# Altium PCB PCB1.PcbDoc (part 1 of 2)
Units mm, origin at the board's own origin, x right, y up, seen from the top; angles counter-clockwise.
Board outline 140.5 x 40 mm, 2 copper layers (Top Layer, Bottom Layer); 133 components, 92 nets, 449 pads, 230 vias.
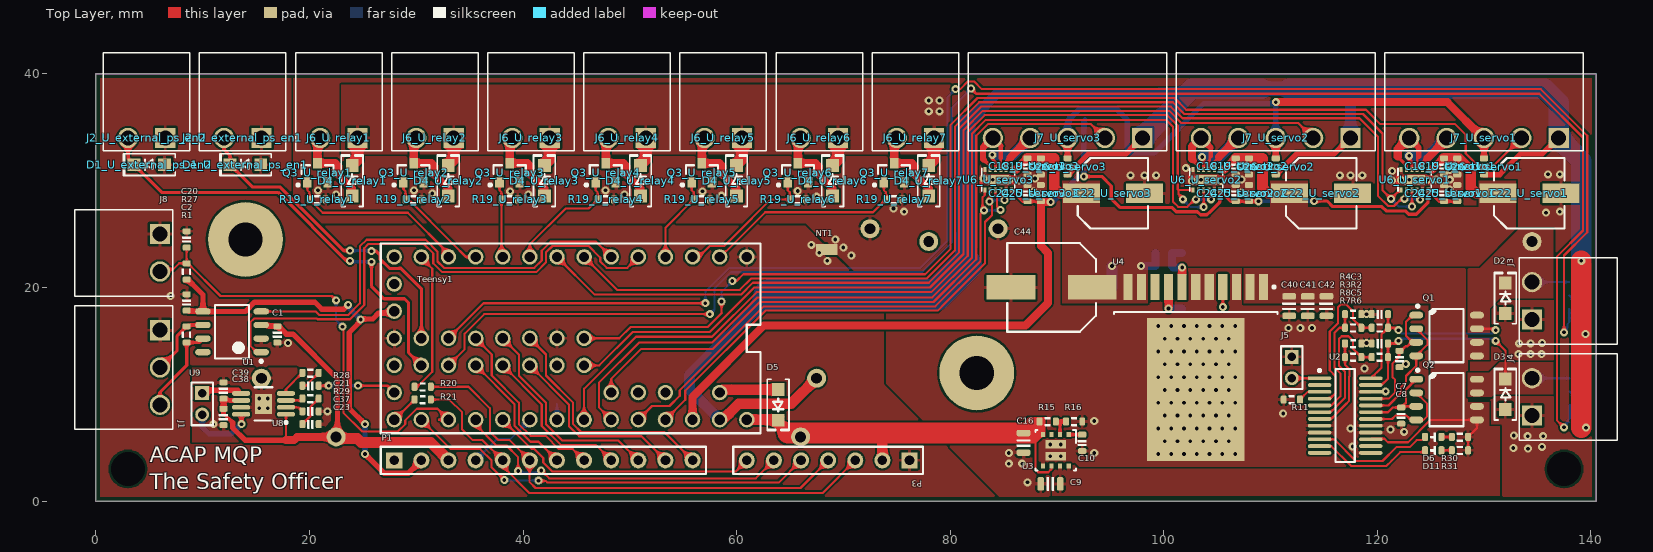
[diagram p0: Top Layer view]
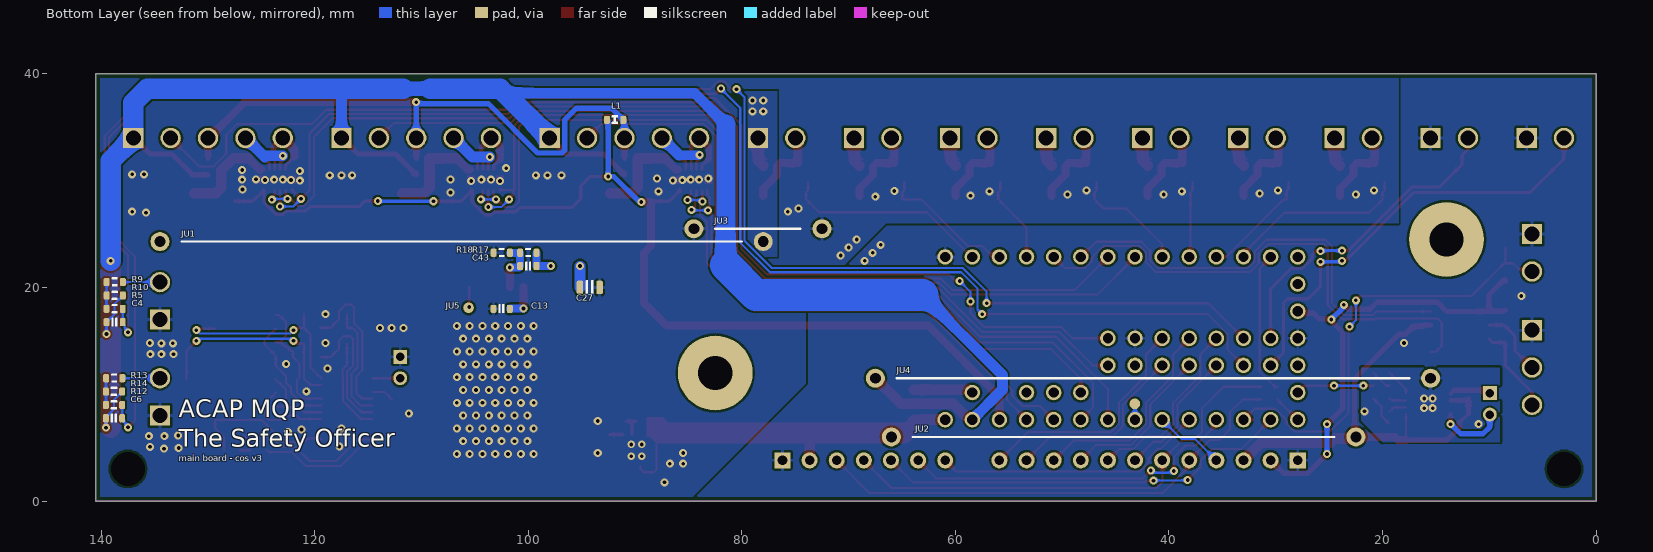
[diagram p1: Bottom Layer view, seen from below]
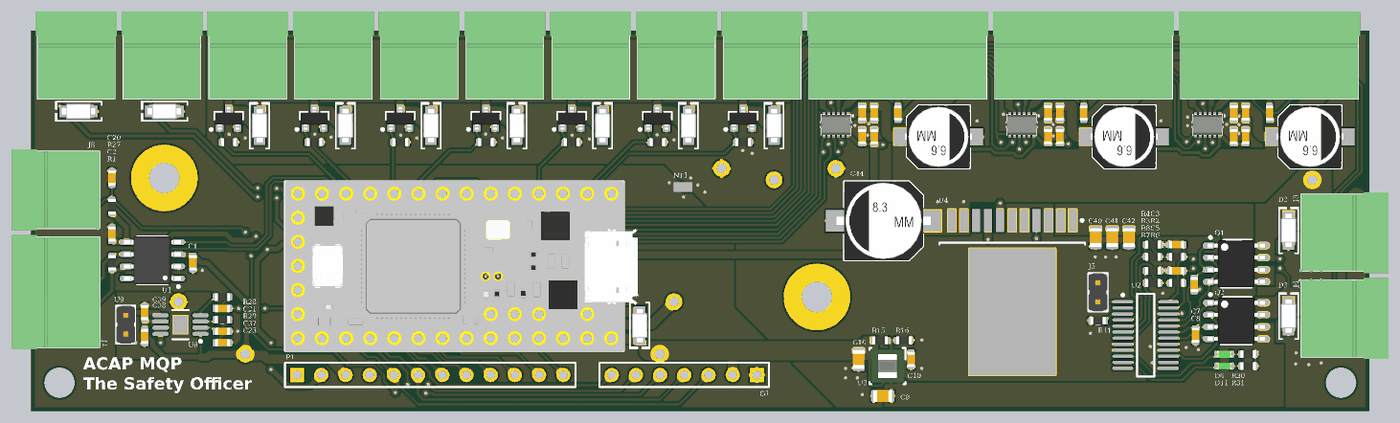
[diagram p3: 3D render of the assembled board from above, using the file's embedded part models]
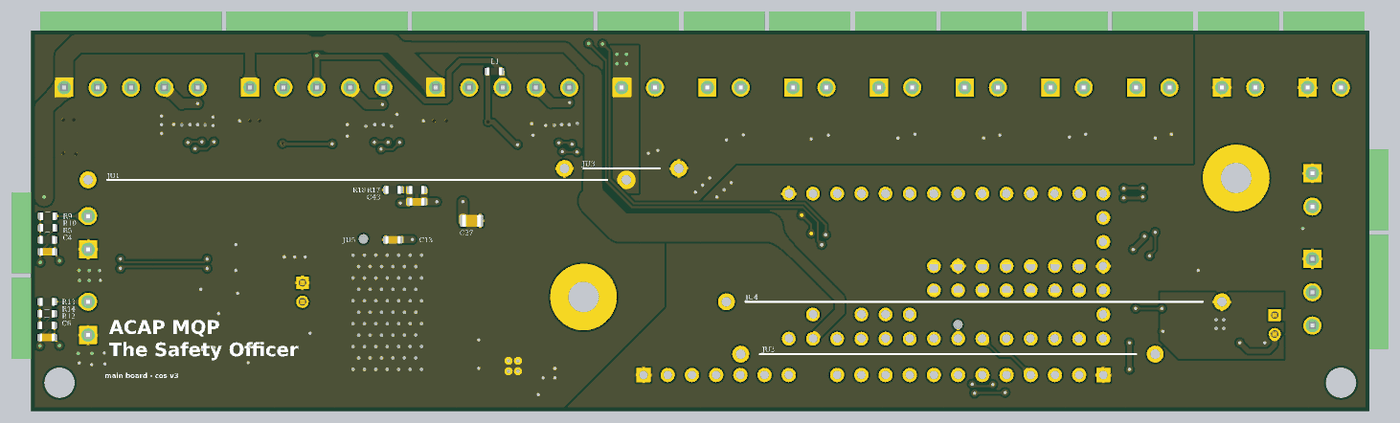
[diagram p4: 3D render of the assembled board from below, using the file's embedded part models]

## Layer stack, top to bottom
Top Solder: solder mask 0.0102, Solder Resist, Dk 3.5
Top Layer: signal copper 0.0356
Dielectric 1: dielectric 0.32, FR-4, Dk 4.8
Bottom Layer: signal copper 0.0356
Bottom Solder: solder mask 0.0102, Solder Resist, Dk 3.5

## Board outline
0,0 0,40 140.5,40 140.5,0

## Design rules (kind name [scope] priority, off if disabled: settings)
BoardOutlineClearance [InNetClass('All Nets')] p1: gap=0.381 ignorepadtopadclearanceinfootprint=FALSE
Clearance BoardEdge [All vs OnLayer('Keep-Out Layer')] p1: gap=0.4 ignorepadtopadclearanceinfootprint=FALSE
Clearance "Stitching GND" [IsStitchingVia and InNet('GND') vs (IsVia and (Not IsStitchingVia)) Or IsPad] p2 off: gap=0.127 ignorepadtopadclearanceinfootprint=FALSE except(0: Arc-Hole Track-Hole SMDPad-Hole THPad-Hole Via-Hole Fill-Hole Poly-Hole Region-Hole Text-Hole)
Clearance Clearance_outlinepolygon [inPolygon vs OnLayer('Keep-Out Layer')] p3 off: gap=0.4 ignorepadtopadclearanceinfootprint=FALSE except(0: Arc-Hole Track-Hole SMDPad-Hole THPad-Hole Via-Hole Fill-Hole Poly-Hole Region-Hole Text-Hole)
Clearance Clearance-polygonpolygon [InPolygon vs InPolygon] p4 off: gap=0.5 ignorepadtopadclearanceinfootprint=FALSE except(0: Arc-Hole Track-Hole SMDPad-Hole THPad-Hole Via-Hole Fill-Hole Poly-Hole Region-Hole Text-Hole)
Clearance Clearance_2 [All] p5: gap=0.2 ignorepadtopadclearanceinfootprint=FALSE
ComponentClearance [InComponentClass('no-clearance-check')] p1: gap=-999 collisioncheckmode=3 verticalgap=-999 showdistances=FALSE
ComponentClearance ComponentClearance_4 [All] p2: gap=0.254 collisioncheckmode=3 verticalgap=0.254 showdistances=FALSE
HoleSize [All] p1: absolutevalues=TRUE maxlimit=6 minlimit=0.33 maxpercent=80.000 minpercent=20.000
MinimumAnnularRing ignore [(HasFootprint('LMZ21701SIL') OR HasFootprint('m3 hole') OR HasFootprint('G3T-12AH'))] p1: minimumring=0
MinimumAnnularRing [All] p2: minimumring=0.178
MinimumSolderMaskSliver [All] p1: minsoldermaskwidth=0.076
NetAntennae [All] p1: netantennaetolerance=2
PolygonConnect PolygonConnect_heat [IsVia OR InPolygonClass('nothermalrelief') OR InPadClass('heatsink')] p1: connectstyle=Direct reliefconductorwidth=0.254 reliefentries=4 polygonreliefangle="90 Angle" airgapwidth=0.254
PolygonConnect [All] p2: connectstyle=Relief reliefconductorwidth=0.3 reliefentries=4 polygonreliefangle="90 Angle" airgapwidth=0.2
RoomDefinition U_servo3 [InComponentClass('U_servo3')] p1: confinementstyle=ConfineIn formatcopy=TRUE lockcomponents=FALSE outline 81.5,24.5 101,24.5 101,42.5 81.5,42.5
RoomDefinition U_servo2 [InComponentClass('U_servo2')] p2: confinementstyle=ConfineIn formatcopy=TRUE lockcomponents=FALSE outline 101,24.5 120.5,24.5 120.5,42.5 101,42.5
RoomDefinition U_servo1 [InComponentClass('U_servo1')] p3: confinementstyle=ConfineIn formatcopy=TRUE lockcomponents=FALSE outline 120.5,24.5 140,24.5 140,42.5 120.5,42.5
RoomDefinition U_relay7 [InComponentClass('U_relay7')] p4: confinementstyle=ConfineIn formatcopy=TRUE lockcomponents=FALSE outline 81.5,42.5 72.5,42.5 72.5,27.25 81.5,27.25
RoomDefinition U_relay6 [InComponentClass('U_relay6')] p5: confinementstyle=ConfineIn formatcopy=TRUE lockcomponents=FALSE outline 72.5,42.5 63.5,42.5 63.5,27.25 72.5,27.25
RoomDefinition U_relay5 [InComponentClass('U_relay5')] p6: confinementstyle=ConfineIn formatcopy=TRUE lockcomponents=FALSE outline 63.5,42.5 54.5,42.5 54.5,27.25 63.5,27.25
RoomDefinition U_relay4 [InComponentClass('U_relay4')] p7: confinementstyle=ConfineIn formatcopy=TRUE lockcomponents=FALSE outline 54.5,42.5 45.5,42.5 45.5,27.25 54.5,27.25
RoomDefinition U_relay3 [InComponentClass('U_relay3')] p8: confinementstyle=ConfineIn formatcopy=TRUE lockcomponents=FALSE outline 45.5,42.5 36.5,42.5 36.5,27.25 45.5,27.25
RoomDefinition U_relay2 [InComponentClass('U_relay2')] p9: confinementstyle=ConfineIn formatcopy=TRUE lockcomponents=FALSE outline 36.5,42.5 27.5,42.5 27.5,27.25 36.5,27.25
RoomDefinition U_relay1 [InComponentClass('U_relay1')] p10: confinementstyle=ConfineIn formatcopy=TRUE lockcomponents=FALSE outline 27.5,42.5 18.5,42.5 18.5,27.25 27.5,27.25
RoomDefinition U_external_ps_en2 [InComponentClass('U_external_ps_en2')] p11: confinementstyle=ConfineIn formatcopy=TRUE lockcomponents=FALSE outline 0.5,29.5 9.5,29.5 9.5,42.5 0.5,42.5
RoomDefinition U_external_ps_en1 [InComponentClass('U_external_ps_en1')] p12: confinementstyle=ConfineIn formatcopy=TRUE lockcomponents=FALSE outline 9.5,29.5 18.5,29.5 18.5,42.5 9.5,42.5
RoutingVias [All] p1: holewidth=0.711 width=1.27 viastyle="Through Hole" minholewidth=0.711 minwidth=1.27 maxholewidth=0.711 maxwidth=1.27 useviatemplates=TRUE viatemplateguid#1={ECAECEE0-98E7-41BA-9EC3-9AF7EEB56C01} viatemplatename#1=signal
SilkToSilkClearance [All] p1 off: silktosilkclearance=0
SilkToSolderMaskClearance SilkToSolderMaskClearance_1 [HasFootprint('PAD-JUMPER-2-NO_YES_SILK')] p1: minsilkscreentomaskgap=0 clearancetoexposedcopper=TRUE
SilkToSolderMaskClearance [IsPad] p2: minsilkscreentomaskgap=0.15 clearancetoexposedcopper=TRUE
SolderMaskExpansion [All] p1: expansion=0.076
Width [All] p1: maxlimit=25.375 minlimit=0.2 preferedwidth=0.3
24 further rules are at their usual default settings.

## Classes and differential pairs
pad class heatsink: C18_U_servo1-1 C18_U_servo2-1 C18_U_servo3-1 C19_U_servo1-1 C19_U_servo2-1 C19_U_servo3-1 C24_U_servo1-1 C24_U_servo2-1 C24_U_servo3-1 C25_U_servo1-2 C25_U_servo2-2 C25_U_servo3-2 NT1-1 NT1-2 U3-9 U3-10 U4-3 U4-5 U4-6 U4-12 U6_U_servo1-13 U6_U_servo2-13 U6_U_servo3-13 U8-9
component class no-clearance-check: JU1 JU2 JU3 JU4 JU5
polygon class nothermalrelief: "Bottom Layer-Vccaircraft" VAIRCRAFT_L01_P004 VBACKUP_L01_P006 VCC_PP_L01_P008 VCC_SERVO_L01_P002
channel class servo: U_servo1 U_servo2 U_servo3
channel class relay: U_relay1 U_relay2 U_relay3 U_relay4 U_relay5 U_relay6 U_relay7
channel class external_ps_en: U_external_ps_en1 U_external_ps_en2
component class U_ui_main_board: C20 C21 C23 C37 C38 C39 J8 P3 P7 R27 R28 R29 U8 U9
component class U_servo3: C18_U_servo3 C19_U_servo3 C22_U_servo3 C24_U_servo3 C25_U_servo3 C26_U_servo3 J7_U_servo3 U6_U_servo3
component class U_servo2: C18_U_servo2 C19_U_servo2 C22_U_servo2 C24_U_servo2 C25_U_servo2 C26_U_servo2 J7_U_servo2 U6_U_servo2
component class U_servo1: C18_U_servo1 C19_U_servo1 C22_U_servo1 C24_U_servo1 C25_U_servo1 C26_U_servo1 J7_U_servo1 U6_U_servo1
component class U_relay7: D4_U_relay7 J6_U_relay7 Q3_U_relay7 R19_U_relay7
component class U_relay6: D4_U_relay6 J6_U_relay6 Q3_U_relay6 R19_U_relay6
component class U_relay5: D4_U_relay5 J6_U_relay5 Q3_U_relay5 R19_U_relay5
component class U_relay4: D4_U_relay4 J6_U_relay4 Q3_U_relay4 R19_U_relay4
component class U_relay3: D4_U_relay3 J6_U_relay3 Q3_U_relay3 R19_U_relay3
component class U_relay2: D4_U_relay2 J6_U_relay2 Q3_U_relay2 R19_U_relay2
component class U_relay1: D4_U_relay1 J6_U_relay1 Q3_U_relay1 R19_U_relay1
component class U_power: C3 C4 C5 C6 C7 C8 C9 C10 C13 C16 C27 C40 C41 C42 C43 C44 D2 D3 D6 D11 J3 J4 J5 JU1 JU2 JU3 JU4 L1 NT1 Q1 Q2 R2 R3 R4 R5 R6 R7 R8 R9 R10 R11 R12 R13 R14 R15 R16 R17 R18 R30 R31 U2 U3 U4
component class U_external_ps_en2: D1_U_external_ps_en2 J2_U_external_ps_en2
component class U_external_ps_en1: D1_U_external_ps_en1 J2_U_external_ps_en1
component class U_can: C1 C2 J1 R1 U1
component class teensy: D5 JU5 P1 R20 R21 Teensy1

## Components (designator, comment, footprint, x,y, rotation, side; value= is the part's Value field where it differs from the comment)
C1 "Cap_0603" CAP_0603 17,15.6 r90 top value=104
C2 "Cap_0603" CAP_0603 8.5,18.6 r270 top value=104
C3 "Cap_0603" CAP_0603 120.25,17.5 r0 top value=104
C4 "Cap_0603" CAP_0603 138.75,16.75 r180 bottom value=100nf
C5 "Cap_0603" CAP_0603 120.25,14.75 r0 top value=104
C6 "Cap_0603" CAP_0603 138.8,7.75 r180 bottom value=100nf
C7 "Cap_0603" CAP_0603 122.1,13.3 r270 top value=?F
C8 "Cap_0603" CAP_0603 122.25,8 r270 top value=?F
C9 "Cap_0805" CAP_0805 89.4,1.6 r0 top value=22uf
C10 "Cap_0603" CAP_0603 92.375,5.45 r90 top value=3300pf
C13 "Cap_0603" CAP_0603 102.5,18 r180 bottom value=470nf
C16 "Cap_0805" CAP_0805 86.875,5.45 r90 top value=22uf
C18_U_servo1 "Cap_0603" CAP_0603 126.25,31.337 r90 top value=104 (schematic designator C18)
C18_U_servo2 "Cap_0603" CAP_0603 106.75,31.337 r90 top value=104 (schematic designator C18)
C18_U_servo3 "Cap_0603" CAP_0603 87.25,31.337 r90 top value=104 (schematic designator C18)
C19_U_servo1 "Cap_0603" CAP_0603 127.5,31.337 r90 top value=104 (schematic designator C19)
C19_U_servo2 "Cap_0603" CAP_0603 108,31.337 r90 top value=104 (schematic designator C19)
C19_U_servo3 "Cap_0603" CAP_0603 88.5,31.337 r90 top value=104 (schematic designator C19)
C20 "Cap_0603" CAP_0603 8.5,24.5 r270 top value=104
C21 "Cap_0603" CAP_0603 20.1,10.8 r180 top value=1uf
C22_U_servo1 "100uF" "CAP ALUM 6.6MM" 134.25,28.825 r0 top (schematic designator C22)
C22_U_servo2 "100uF" "CAP ALUM 6.6MM" 114.75,28.825 r0 top (schematic designator C22)
C22_U_servo3 "100uF" "CAP ALUM 6.6MM" 95.25,28.825 r0 top (schematic designator C22)
C23 "Cap_0603" CAP_0603 20.1,7.2 r180 top value=1uf
C24_U_servo1 "Cap_0603" CAP_0603 126.25,28.837 r270 top value=104 (schematic designator C24)
C24_U_servo2 "Cap_0603" CAP_0603 106.75,28.837 r270 top value=104 (schematic designator C24)
C24_U_servo3 "Cap_0603" CAP_0603 87.25,28.837 r270 top value=104 (schematic designator C24)
C25_U_servo1 "Cap_0603" CAP_0603 127.5,28.837 r90 top value=104 (schematic designator C25)
C25_U_servo2 "Cap_0603" CAP_0603 108,28.837 r90 top value=104 (schematic designator C25)
C25_U_servo3 "Cap_0603" CAP_0603 88.5,28.837 r90 top value=104 (schematic designator C25)
C26_U_servo1 "Cap_0603" CAP_0603 130,31.325 r270 top value=104 (schematic designator C26)
C26_U_servo2 "Cap_0603" CAP_0603 110.5,31.325 r270 top value=104 (schematic designator C26)
C26_U_servo3 "Cap_0603" CAP_0603 91,31.325 r270 top value=104 (schematic designator C26)
C27 "Cap_0805" CAP_0805 94.25,20 r0 bottom value=10uf
C37 "Cap_0603" CAP_0603 20.1,8.4 r0 top value=104
C38 "Cap_0603" CAP_0603 11.95,7.862 r270 top value=104
C39 "Cap_0603" CAP_0603 11.95,10.35 r90 top value=104
C40 "Cap_0805" CAP_0805 111.75,18.25 r90 top value=10uf
C41 "Cap_0805" CAP_0805 113.5,18.25 r90 top value=10uf
C42 "Cap_0805" CAP_0805 115.25,18.25 r90 top value=10uf
C43 "Cap_0603" CAP_0603 100,22 r180 bottom value=4.7nf
C44 "220uf" "CAP ALUM 8.3MM" 89.5,20 r180 top
D1_U_external_ps_en1 "3.3V" SOD123F 14,31.5 r180 top (schematic designator D1)
D1_U_external_ps_en2 "3.3V" SOD123F 5,31.5 r180 top (schematic designator D1)
D2 "18V" SOD123F 132,19 r90 top
D3 "18V" SOD123F 132,10 r90 top
D4_U_relay1 "Diode_SOD523" SOD123F 24,30 r90 top value=1N? (schematic designator D4)
D4_U_relay2 "Diode_SOD523" SOD123F 33,30 r90 top value=1N? (schematic designator D4)
D4_U_relay3 "Diode_SOD523" SOD123F 42,30 r90 top value=1N? (schematic designator D4)
D4_U_relay4 "Diode_SOD523" SOD123F 51,30 r90 top value=1N? (schematic designator D4)
D4_U_relay5 "Diode_SOD523" SOD123F 60,30 r90 top value=1N? (schematic designator D4)
D4_U_relay6 "Diode_SOD523" SOD123F 69,30 r90 top value=1N? (schematic designator D4)
D4_U_relay7 "Diode_SOD523" SOD123F 78,30 r90 top value=1N? (schematic designator D4)
D5 "Diode_SOD523" SOD123F 63.9,9 r270 top value="Schottky 20v 500ma"
D6 "LED_0603" LED_0603_GREEN 125.25,6 r180 top
D11 "LED_0603" LED_0603_GREEN 125.25,4.75 r180 top
J1 "691321100003" 691322110003 6,12.5 r270 top
J2_U_external_ps_en1 "691321100002" 691322110002 13.75,34 r180 top (schematic designator J2)
J2_U_external_ps_en2 "691321100002" 691322110002 4.75,34 r180 top (schematic designator J2)
J3 "691321100002" 691322110002 134.5,18.75 r90 top
J4 "691321100002" 691322110002 134.5,9.75 r90 top
J5 "691321100002" 62000211121 112,12.5 r270 top
J6_U_relay1 "691321100002" 691322110002 22.75,34 r180 top (schematic designator J6)
J6_U_relay2 "691321100002" 691322110002 31.75,34 r180 top (schematic designator J6)
J6_U_relay3 "691321100002" 691322110002 40.75,34 r180 top (schematic designator J6)
J6_U_relay4 "691321100002" 691322110002 49.75,34 r180 top (schematic designator J6)
J6_U_relay5 "691321100002" 691322110002 58.75,34 r180 top (schematic designator J6)
J6_U_relay6 "691321100002" 691322110002 67.75,34 r180 top (schematic designator J6)
J6_U_relay7 "691321100002" 691322110002 76.75,34 r180 top (schematic designator J6)
J7_U_servo1 "691321100005" 691322110005 130,34 r180 top (schematic designator J7)
J7_U_servo2 "691321100005" 691322110005 110.5,34 r180 top (schematic designator J7)
J7_U_servo3 "691321100005" 691322110005 91,34 r180 top (schematic designator J7)
J8 "691321100002" 691322110002 6,23.25 r270 top
JU1 "Jumper Link" jumper_56.5 134.5,24.3 r180 bottom
JU2 "Jumper Link" jumper_43.5 66,6 r180 bottom
JU3 "Jumper Link" jumper_12 84.5,25.5 r180 bottom
JU4 "Jumper Link" jumper_52 15.5,11.5 r0 bottom
JU5 "Jumper Link" jumper_62.4_9 105.6,18.1 r180 bottom
L1 "Ind_0603" IND_0603 91.872,35.7 r180 bottom value=?H
NT1 "Net tie 3" "NET TIE 3" 67.943,23.557 r0 top net-tie
P1 "Header 12" HDR1X12 27.94,3.81 r0 top
P3 "OLED" HDR1X7 76.2,3.81 r180 top
Q1 "INFINEON DUAL MOSFET P-CH SO-8" "INFINEON SO-8" 126.5,15.5 r0 top
Q2 "INFINEON DUAL MOSFET P-CH SO-8" "INFINEON SO-8" 126.5,9.5 r0 top
Q3_U_relay1 "INFINEON MOSFET N-CH SOT-23-3" "INFINEON SOT-23-3" 20.75,30.75 r90 top (schematic designator Q3)
Q3_U_relay2 "INFINEON MOSFET N-CH SOT-23-3" "INFINEON SOT-23-3" 29.75,30.75 r90 top (schematic designator Q3)
Q3_U_relay3 "INFINEON MOSFET N-CH SOT-23-3" "INFINEON SOT-23-3" 38.75,30.75 r90 top (schematic designator Q3)
Q3_U_relay4 "INFINEON MOSFET N-CH SOT-23-3" "INFINEON SOT-23-3" 47.75,30.75 r90 top (schematic designator Q3)
Q3_U_relay5 "INFINEON MOSFET N-CH SOT-23-3" "INFINEON SOT-23-3" 56.75,30.75 r90 top (schematic designator Q3)
Q3_U_relay6 "INFINEON MOSFET N-CH SOT-23-3" "INFINEON SOT-23-3" 65.75,30.75 r90 top (schematic designator Q3)
Q3_U_relay7 "INFINEON MOSFET N-CH SOT-23-3" "INFINEON SOT-23-3" 74.75,30.75 r90 top (schematic designator Q3)
R1 "Res_0603" RES_0603 8.5,15.6 r270 top value=120
R2 "Res_0603" RES_0603 120.25,16.225 r0 top value=?K
R3 "Res_0603" RES_0603 117.75,16.225 r0 top value=?K
R4 "Res_0603" RES_0603 117.75,17.5 r180 top value=?K
R5 "Res_0603" RES_0603 138.75,18 r0 bottom value=4.7k
R6 "Res_0603" RES_0603 120.25,13.475 r0 top value=?K
R7 "Res_0603" RES_0603 117.75,13.475 r0 top value=?K
R8 "Res_0603" RES_0603 117.75,14.75 r180 top value=?K
R9 "Res_0603" RES_0603 138.738,20.5 r180 bottom value=?K
R10 "Res_0603" RES_0603 138.738,19.25 r0 bottom value=?K
R11 "Res_0603" RES_0603 112,9.5 r0 top value=0
R12 "Res_0603" RES_0603 138.8,9 r0 bottom value=4.7k
R13 "Res_0603" RES_0603 138.788,11.5 r180 bottom value=?K
R14 "Res_0603" RES_0603 138.8,10.25 r0 bottom value=?K
R15 "Res_0603" RES_0603 89.137,7.45 r180 top value=232k
R16 "Res_0603" RES_0603 91.613,7.45 r180 top value=44.2k
R17 "Res_0603" RES_0603 100,23.25 r180 bottom value=5.62k
R18 "Res_0603" RES_0603 102.488,23.25 r180 bottom value=1.07k
R19_U_relay1 "Res_0603" RES_0603 20.75,28.25 r180 top value=20k (schematic designator R19)
R19_U_relay2 "Res_0603" RES_0603 29.75,28.25 r180 top value=20k (schematic designator R19)
R19_U_relay3 "Res_0603" RES_0603 38.75,28.25 r180 top value=20k (schematic designator R19)
R19_U_relay4 "Res_0603" RES_0603 47.75,28.25 r180 top value=20k (schematic designator R19)
R19_U_relay5 "Res_0603" RES_0603 56.75,28.25 r180 top value=20k (schematic designator R19)
R19_U_relay6 "Res_0603" RES_0603 65.75,28.25 r180 top value=20k (schematic designator R19)
R19_U_relay7 "Res_0603" RES_0603 74.75,28.25 r180 top value=20k (schematic designator R19)
R20 "Res_0603" RES_0603 30.6,10.7 r180 top value=?K
R21 "Res_0603" RES_0603 30.6,9.5 r180 top value=?K
R27 "Res_0603" RES_0603 8.5,21.5 r270 top value=20k
R28 "Res_0603" RES_0603 20.1,12 r180 top value=10K
R29 "Res_0603" RES_0603 20.1,9.6 r180 top value=10K
R30 "Res_0603" RES_0603 127.75,6 r180 top value=?K
R31 "Res_0603" RES_0603 127.75,4.75 r180 top value=?K
Teensy1 "Footprint for Teensy 3.1 board using all pads and all through-holes. Pads need a 2x7 0.1\" SMD header." TEENSY_3.1_ALLPINS 43.18,15.24 r270 top
U1 "TCAN1051HGV CAN transceiver" SOIC127P600X175-8N 12.75,15.85 r180 top
U2 "LTC4417HGN#TRPBF" LT-GN-24_N 117,8 r0 top
U3 "LMZ21701SIL" LMZ21701SIL 89.9,4.75 r90 top
U4 "LMZ12010TZE/NOPB" TZA11A_V 103,12.5 r270 top
U6_U_servo1 "DRV8835_DSS_12" DSS12_P9X2 123.5,30.087 r270 top value=Value (schematic designator U6)
U6_U_servo2 "DRV8835_DSS_12" DSS12_P9X2 104,30.087 r270 top value=Value (schematic designator U6)
U6_U_servo3 "DRV8835_DSS_12" DSS12_P9X2 84.5,30.087 r270 top value=Value (schematic designator U6)
U8 "TPA6211A1TDGNRQ1" TI-DGN8-1760X1425TP_N 15.7,9.1 r180 top
U9 "Passive Buzzer" 62000211121 9.95,9.1 r270 top

## Footprints (in the part's own frame and the unit in brackets; to place one, negate y for a bottom-side part, rotate by r counter-clockwise, add the part's x,y. Pads: shape width x height; smd on the part's side, far side on the other; paste and mask are expansions set on the pad)
62000211121 [mm] "2 pins, 1 row, straight, gold plating"
  rect 1.3x1.3 hole 0.8: 1(-1,0)
  round 1.3 hole 0.8: 2(1,0)
  silkscreen extent -2,-1 2,1, body extent -2,-1 2,1, height 6.01
691322110002 [mm] "3,50mm - PCB Horizontal - 02p"
  rect 1.9x1.9 hole 1.4: 1(-1.75,0)
  round 1.9 hole 1.4: 2(1.75,0)
  silkscreen extent -4.05,-8 4.05,1.2, body extent -4.25,-8 4.25,1.2, height 7.31
691322110003 [mm] "3,50mm - PCB Horizontal - 03p"
  rect 1.9x1.9 hole 1.4: 1(-3.5,0)
  round 1.9 hole 1.4: 2(0,0) 3(3.5,0)
  silkscreen extent -5.8,-8 5.8,1.2, body extent -6,-8 6,1.2, height 7.31
691322110005 [mm] "3,50mm - PCB Horizontal - 05p"
  rect 1.9x1.9 hole 1.4: 1(-7,0)
  round 1.9 hole 1.4: 2(-3.5,0) 3(0,0) 4(3.5,0) 5(7,0)
  silkscreen extent -9.3,-8 9.3,1.2, body extent -9.5,-8 9.5,1.2, height 7.31
"CAP ALUM 6.6MM" [mm] "Aluminum Electrolytic Capacitor, Body 6.60x6.60x7.70mm, IPC Low Density"
  rect 3.45x1.8 smd: 1(-2.95,0) 2(2.95,0)
  silkscreen extent -3.3,-3.3 3.3,3.3, body extent -3.5,-3.3 3.5,3.3, height 7.7
"CAP ALUM 8.3MM" [mm] "Aluminum Electrolytic Capacitor, Body 8.30x8.30x10.50mm, IPC Low Density"
  rect 4.55x2.3 smd: 1(-3.8,0) 2(3.8,0)
  silkscreen extent -4.15,-4.15 4.15,4.15, body extent -4.95,-4.15 4.95,4.15, height 10.5
CAP_0603 [mil]
  rrect50% 22x30 smd: 1(-30,0) 2(30,0)
  silkscreen extent -10,-15 10,15, body extent -31,-16 31,16, height 31
CAP_0805 [mil]
  rrect50% 24x50 smd: 1(-36,0) 2(36,0)
  silkscreen extent -12,-24 12,24, body extent -39,-25 39,25, height 39
DSS12_P9X2 [mm]
  rect 0.5x0.28 smd paste-0.25 mask+0.05: 1(-0.959,1.25)
  rect 0.5x0.28 smd paste-0.14 mask+0.05: 2(-0.959,0.75) 3(-0.959,0.25) 4(-0.959,-0.25) 5(-0.959,-0.75) 6(-0.959,-1.25) 7(0.959,-1.25) 8(0.959,-0.75) 9(0.959,-0.25) 10(0.959,0.25) 11(0.959,0.75) 12(0.959,1.25)
  rect 0.9x2 smd paste-1 mask-0.991: 13(0,0)
  Top Layer region: 0,1 0,1 0,1 0,1 0,1 0,1 0,1 0,1
  Top Layer region: 0,-1 0,-1 0,-1 0,-1 0,-1 0,-1 0,-1 0,-1
  Top Layer region: 0.375,1 0.125,1 0.125,1.7 0.375,1.7
  Top Layer region: -0.375,1 -0.125,1 -0.125,1.7 -0.375,1.7
  Top Layer region: -0.375,-1 -0.125,-1 -0.125,-1.7 -0.375,-1.7
  Top Layer region: 0.375,-1 0.125,-1 0.125,-1.7 0.375,-1.7
  silkscreen extent -1.05,-1.55 1.05,1.78, body extent -1.35,-1.7 1.35,1.7, height 1.7
HDR1X7 [mm] "Connector; Header; 7 Position"
  rect 1.5x1.5 hole 0.9: 1(0,0)
  round 1.5 hole 0.9: 2(2.54,0) 3(5.08,0) 4(7.62,0) 5(10.16,0) 6(12.7,0) 7(15.24,0)
  silkscreen extent -1.27,-1.27 16.51,1.27
HDR1X12 [mm] "Connector; Header; 12 Position"
  rect 1.5x1.5 hole 0.9: 1(0,0)
  round 1.5 hole 0.9: 2(2.54,0) 3(5.08,0) 4(7.62,0) 5(10.16,0) 6(12.7,0) 7(15.24,0) 8(17.78,0) 9(20.32,0) 10(22.86,0) 11(25.4,0) 12(27.94,0)
  silkscreen extent -1.27,-1.27 29.21,1.27
IND_0603 [mil]
  rrect50% 22x30 smd: 1(-30,0) 2(30,0)
  silkscreen extent -10,-15 10,15, body extent -31,-16 31,16, height 31
"INFINEON SO-8" [mm] "SOIC, 8-Leads, Body 4.90x3.90mm, Pitch 1.27mm, IPC Medium Density"
  oval 1.31x0.65 smd: 1(-2.845,1.905) 2(-2.845,0.635) 3(-2.845,-0.635) 4(-2.845,-1.905) 5(2.845,-1.905) 6(2.845,-0.635) 7(2.845,0.635) 8(2.845,1.905)
  silkscreen extent -2.82,-2.5 1.6,2.88, body extent -3.01,-2.45 3.01,2.45, height 1.5
"INFINEON SOT-23-3" [mm] "SOT23, 3-Leads, Body 2.90x2.40mm, Pitch 0.95mm, IPC Medium Density"
  rect 0.972x0.802 smd: 1(-0.885,0.95) 2(0.885,0) 3(-0.885,-0.95)
  silkscreen extent -1.27,-1.5 0.7,1.95, body extent -1.16,-1.45 1.16,1.45, height 1
jumper_12 [mil]
  round 70 hole 40: 1(0,0) 2(472.44,0)
  silkscreen extent 79,0 394,0
jumper_43.5 [mil]
  round 70 hole 40: 1(0,0) 2(1712.6,0)
  silkscreen extent 79,0 1634,0
jumper_52 [mil]
  round 70 hole 40: 1(0,0) 2(2047.24,0)
  silkscreen extent 79,0 1969,0
jumper_56.5 [mil]
  round 70 hole 40: 1(0,0) 2(2224.41,0)
  silkscreen extent 79,0 2146,0
jumper_62.4_9 [mm]
  round 1 smd: 1(0,0) 2(62.4,-9)
LED_0603_GREEN [mil]
  rrect50% 22x30 smd: 1(-30,0) 2(30,0)
  silkscreen extent -10,-16 10,16, body extent -32,-16 32,16, height 24
LMZ21701SIL [mm]
  rect 0.45x0.4 smd mask+0.07: 1(1.475,-1.2) 2(1.475,-0.4) 3(1.475,0.4) 4(1.475,1.2) 5(-1.475,1.2) 6(-1.475,0.4) 7(-1.475,-0.4) 8(-1.475,-1.2)
  rect 0.8x1.9 smd paste-0.5 mask+0.07: 9(0.55,0) 10(-0.55,0)
  silkscreen extent -1.9,-1.9 1.9,1.9, body extent -1.75,-1.75 1.75,1.75, height 1.66
LT-GN-24_N [mm] "SOP, 24-Leads, Body 8.7x4mm, Pitch 0.635mm, IPC Medium Density"
  oval 2.2x0.35 smd: 1(-2.4,3.492) 2(-2.4,2.857) 3(-2.4,2.222) 4(-2.4,1.587) 5(-2.4,0.952) 6(-2.4,0.317) 7(-2.4,-0.318) 8(-2.4,-0.953) 9(-2.4,-1.588) 10(-2.4,-2.223) 11(-2.4,-2.858) 12(-2.4,-3.493) 13(2.4,-3.493) 14(2.4,-2.858) 15(2.4,-2.223) 16(2.4,-1.588) 17(2.4,-0.953) 18(2.4,-0.318) 19(2.4,0.317) 20(2.4,0.952) 21(2.4,1.587) 22(2.4,2.222) 23(2.4,2.857) 24(2.4,3.492)
  silkscreen extent -2.52,-4.35 0.9,4.35, body extent -2,-4.35 2,4.35, height 1.75
"NET TIE 3" [mm]
  rect 1x1 smd: 1(0,0) 2(1,0)
  Top Layer region: 0.4,-0.1 0.6,-0.1 0.6,0.1 0.4,0.1
RES_0603 [mil]
  rrect50% 22x30 smd: 1(-30,0) 2(30,0)
  silkscreen extent -10,-16 10,16, body extent -31,-16 31,16, height 18
SOD123F [mm] "SODFL, 2-Leads, Body 1.60x3.50mm, IPC Medium Density"
  rect 1.2x1.2 smd: 1(-1.43,0) 2(1.43,0)
  silkscreen extent -2.41,-1.02 2.41,1.02, body extent -1.75,-0.8 1.75,0.8, height 1.1
SOIC127P600X175-8N [mm] "SOIC, 8-Leads, Body 4.91x3.90mm, Pitch 1.27mm, IPC Medium Density"
  oval 1.45x0.6 smd: 1(-2.725,1.905) 2(-2.725,0.635) 3(-2.725,-0.635) 4(-2.725,-1.905) 5(2.725,-1.905) 6(2.725,-0.635) 7(2.725,0.635) 8(2.725,1.905)
  silkscreen extent -2.85,-2.5 1.6,2.88, body extent -3,-2.5 3,2.5, height 1.75
TEENSY_3.1_ALLPINS [mil]
  round 57 hole 38: 0(-300,600) 1(-300,500) 2(-300,400) 3(-300,300) 3.3V(300,500) 3.3V1(-100,-600) 3.3V2(100,0) 4(-300,200) 5(-300,100) 6(-300,0) 7(-300,-100) 8(-300,-200) 9(-300,-300) 10(-300,-400) 11(-300,-500) 12(-300,-600) 13(300,-600) 14/A0(300,-500) 15/A1(300,-400) 16/A2(300,-300) 17/A3(300,-200) 18/A4(300,-100) 19/A5(300,0) 20/A6(300,100) 21/A7(300,200) 22/A8(300,300) 23/A9(300,400) 24(0,-100) 25(0,-200) 26(0,-300) 27(0,-400) 28(0,-500) 29(100,-500) 30(100,-400) 31(100,-300) 32(100,-200) 33(100,-100) A10(200,300) A11(200,200) A12(0,100) A13(100,100) A14(200,-600) AGND(300,600) AREF(200,400) GND(-300,700) GND1(0,-600) GND2(0,0) PGM(100,-600) VBAT(-200,-600) VIN(300,700) VUSB(200,600)
  silkscreen extent -350,-650 350,750, body extent -352,-650 352,807, height 606
TI-DGN8-1760X1425TP_N [mm] "SOP, 8-Leads, Body 3.1x3.1mm, Pitch 0.65mm, Thermal Pad 1.89x1.57mm, IPC Medium Density"
  oval 1.7x0.45 smd mask+0.05: 1(-2.1,0.975) 2(-2.1,0.325) 3(-2.1,-0.325) 4(-2.1,-0.975) 5(2.1,-0.975) 6(2.1,-0.325) 7(2.1,0.325) 8(2.1,0.975)
  rect 1.57x1.89 smd: 9(0,0)
  silkscreen extent -2.23,-1.55 0.85,1.87, body extent -1.55,-1.55 1.55,1.55, height 1.1
TZA11A_V [mm] "TO, 12-Leads, Body 15x15mm, Pitch 1.27mm, Lead Span 17.8mm, NSC Recommended"
  rect 2.41x0.86 smd: 1(-7.54,6.35) 2(-7.54,5.08) 3(-7.54,3.81) 4(-7.54,2.54) 5(-7.54,1.27) 6(-7.54,0) 7(-7.54,-1.27) 8(-7.54,-2.54) 9(-7.54,-3.81) 10(-7.54,-5.08) 11(-7.54,-6.35)
  rect 13.37x9.126 smd: 12(2.06,0)
  silkscreen extent -7.66,-7.65 -5.02,7.65, body extent -5.2,-7.63 10.05,7.63, height 6

## Part data
C1 C2 C3 C4 C5 C6 C7 C8 C9 C10 C13 C16 C18_U_servo1 C18_U_servo2 C18_U_servo3 C19_U_servo1 C19_U_servo2 C19_U_servo3 C20 C21 C23 C24_U_servo1 C24_U_servo2 C24_U_servo3 C25_U_servo1 C25_U_servo2 C25_U_servo3 C26_U_servo1 C26_U_servo2 C26_U_servo3 C27 C37 C38 C39 C40 C41 C42 C43: "Capacitor"
C22_U_servo1 C22_U_servo2 C22_U_servo3: library part "Polarised Capacitor", "PCE4180CT-ND"
C44: library part "Polarised Capacitor", "EEE-HA1V221UP"
D1_U_external_ps_en1 D1_U_external_ps_en2: library part "Diode Zener", "Zener Diode"
D2 D3: library part "Diode Zener Bidirectional", "Bidirectional Zener Diode"
D4_U_relay1 D4_U_relay2 D4_U_relay3 D4_U_relay4 D4_U_relay5 D4_U_relay6 D4_U_relay7 D5: "Diode"
  D5: url=http://www.digikey.com/product-detail/en/nxp-usa-inc/PMEG2010AEB,115/568-6502-1-ND/2531789
D6 D11: "LED"
J1 J2_U_external_ps_en1 J2_U_external_ps_en2 J3 J4 J5 J6_U_relay1 J6_U_relay2 J6_U_relay3 J6_U_relay4 J6_U_relay5 J6_U_relay6 J6_U_relay7 J7_U_servo1 J7_U_servo2 J7_U_servo3 J8: "WR-TBL Terminal block - serie 3211 - 3.50 mm", Manufacturer="Würth Elektronik eiSos GmbH", ComponentLink1 Description=Manufacturer, ComponentLink1URL=http://www.we-online.com, ComponentLink2 Description=Datasheet, ComponentLink2URL=http://katalog.we-online.de/em/datasheet/6913211000xx.pdf, Created by="Karrer Zheng", Created Date="9 December 2013"
  J1: NoPins=3, partNo=691321100003
  J2_U_external_ps_en1 J2_U_external_ps_en2 J3 J4 J5 J6_U_relay1 J6_U_relay2 J6_U_relay3 J6_U_relay4 J6_U_relay5 J6_U_relay6 J6_U_relay7 J8: NoPins=2, partNo=691321100002
  J7_U_servo1 J7_U_servo2 J7_U_servo3: NoPins=5, partNo=691321100005
JU1 JU2 JU3 JU4 JU5: library part Jumper, "Jumper Wire", ClassName=no-clearance-check, LatestRevisionDate=17-Jul-2002, LatestRevisionNote="Re-released for DXP Platform.", PackageDescription="Radial Cap, Thru-Hole; 2 Leads; 0.2 in Pin Spacing", PackageReference=RAD-0.2, Published=24-Mar-1999, Publisher="Altium Limited"
L1: "Inductor"
NT1: library part "Net tie"
P1: "Header, 12-Pin", LatestRevisionDate=17-Jul-2002, LatestRevisionNote="Re-released for DXP Platform.", Publisher="Altium Limited"
P3: library part "Header 7", "Header, 7-Pin", LatestRevisionDate=17-Jul-2002, LatestRevisionNote="Re-released for DXP Platform.", Publisher="Altium Limited"
R1 R2 R3 R4 R5 R6 R7 R8 R9 R10 R11 R12 R13 R14 R15 R16 R17 R18 R19_U_relay1 R19_U_relay2 R19_U_relay3 R19_U_relay4 R19_U_relay5 R19_U_relay6 R19_U_relay7 R20 R21 R27 R28 R29 R30 R31: "Resistor"
Teensy1: library part TEENSY_3.1_ALL_PINS_AND_PADS
U1: library part TCAN1051HGV
U2: "Prioritized PowerPath Controller, 2.5 to 36 V Vin, 24-pin SOP (GN-24), -40 to 125 degC, Pb-Free, Tape and Reel", Manufacturer="Linear Technology", Supplier Part Number 1=LTC4417HGN#TRPBF-ND, ComponentLink1Description="Manufacturer URL", ComponentLink1URL=http://www.linear.com/, ComponentLink2Description=Datasheet, ComponentLink2URL=http://cds.linear.com/docs/en/datasheet/4417f.pdf, ComponentLink3Description="Package Specification", ComponentLink3URL=http://cds.linear.com/docs/en/packaging/05081641_B_GN24.pdf, Ideal Diode="Triple, External, P-Channel", Mounting Technology="Surface Mount", PackageDescription="24-Pin Plastic SSOP , Body 8.5 x 3.9 mm, Pitch 0.635 mm", PackageReference=GN24, PackageVersion="Rev. B, 03/2012", Packing="Tape and Reel", PartNumber=LTC4417HGN#TRPBF, RoHS=TRUE, Supplier 1=Digi-Key, Supplier 2=Newark, Supplier Part Number 2=53W0557
U3: "1A SIMPLE SWITCHER Nano Module with 17V Maximum Input Voltage, SIL0008E", Alternate Manufacturer=None, Manufacturer="Texas Instruments", ComponentLink1Description="Datasheet Link", ComponentLink1URL=https://sps06.itg.ti.com/sites/KMS/crossdivteams/altium/docs/ComponentDatasheets/LMZ21701_DS_2013_07_10.pdf, CompType=IC, LatestRevisionDate=2014-08-23, MountType=SMT, PackageReference=SIL0008E, PartNumber=LMZ21701SIL, Publisher="Texas Instruments", RoHS=Y, SymbolCreator=a0411947, SymbolVersion=2013-08-23, U/M=EA
U4: "10A, SIMPLE SWITCHER® Power Module with 20V Maximum Input, 11 pin TO-PMOD, 250 Reel", Manufacturer="National Semiconductor", PackageTopMarking=NSUZXYTTE#*LMZ12010, PowerWise=N, ComponentLink1Description="Manufacturer URL", ComponentLink1URL=http://www.national.com/, ComponentLink2Description="LMZ12010 Datasheet", ComponentLink2URL=http://www.national.com/ds/LM/LMZ12010.pdf, ComponentLink3Description="LMZ12010 Web Page", ComponentLink3URL=http://www.national.com/pf/LM/LMZ12010.html, ComponentLink4Description="TZA11A Package Page", ComponentLink4URL=http://www.national.com/packaging/folders/tza11a.html, CompType=Switcher, DatasheetVersion=Apr-2011, High-Reliability=Y, PackageDescription="TO-PMOD, 15 x 15 x 5.9 mm Body, 11 Lead, 1.27 mm Pitch, Surface Mount", PackageReference=TZA11A, PackageVersion="revE, Apr-2011", PartNumber=LMZ12010TZE/NOPB, PinCount=11, RoHS=Y
U6_U_servo1 U6_U_servo2 U6_U_servo3: "Imported", Manufacturer_Part_Number=drv8835_dss_12, RefDes=RefDes, Type=Type, Vendor="Texas Instruments"
U8: "Automotive Catalog 3.1-W Mono, Fully Differential, Class-AB Audio Amplifier, -40 to 105 degC, 8-pin SOP (DGN8), Green (RoHS & no Sb/Br)", Manufacturer="Texas Instruments", Output Power(W)=2.45, Supplier Part Number 1=296-29059-2-ND, Supply Max(Max)(Volt)=5.5, Supply Min(Min)(Volt)=2.5, Code_JEDEC=MO-187, ComponentLink1Description="Manufacturer URL", ComponentLink1URL=http://www.ti.com/, ComponentLink2Description=Datasheet, ComponentLink2URL=http://www.ti.com/general/docs/lit/getliterature.tsp?genericPartNumber=TPA6211A1-Q1&fileType=pdf, ComponentLink3Description="Package Specification", ComponentLink3URL=http://www.ti.com/litv/pdf/mpds046e, DatasheetVersion=SBOS555, Eco-Plan="Green (RoHS & no Sb/Br)", Mounting Technology="Surface Mount", PackageDescription="8-Pin Plastic Small Outline, Body 3 x 3 mm, Pitch 0.65 mm", PackageReference=DGN8-1760X1425TP, PackageVersion="4073271/F, 05/2011", PartNumber=TPA6211A1TDGNRQ1, PSRR(dB)=-85, Speaker Amp Type=Class-AB, Speaker Channels=Mono, SubFamily="Dynamic Speaker", Supplier 1=Digi-Key, Supplier 2=Digi-Key, Supplier 3=Digi-Key, Supplier 4=Mouser, Supplier Part Number 2=296-29059-1-ND, Supplier Part Number 3=296-29059-6-ND, Supplier Part Number 4=595-TPA6211A1TDGNRQ1

## Free pads (board coordinates)
  round 0 hole 3.2 unplated: 0(3,3) 0(137.5,3)
  round 7 hole 3.2: 0(14,24.5) 0(82.5,12)

## Via types
v1: diameter 0.75, hole 0.35, Top Layer to Bottom Layer, tented both sides, 226 vias
v2: diameter 0.7, hole 0.35, Top Layer to Bottom Layer, 4 vias

## Nets (pads, with @x,y where several pads share a name; then routed paths per layer and width w, separated by ;. In a path a pad name is that pad's centre, name@x,y a point inside that pad or via, vN(x,y) a via of type N, cw(c..) or ccw(c..) an arc to the next point about the centre after c; other vN are vias at no path point)
AGND: C4.1 C6.1 C23.1 C26_U_servo1.2 C26_U_servo2.2 C26_U_servo3.2 C37.2 C38.2 C39.2 J7_U_servo1.1 J7_U_servo2.1 J7_U_servo3.1 JU4.1 JU4.2 R10.1 R14.1 Teensy1.AGND U8.7 U8.9 | length 191.7
  Top Layer w0.2: 139.05,7.75 139.1,7.8 ; v1@139.5,6.8 v1(139.562,6.862)
  Top Layer w0.5: C26_U_servo3.2@91,30.563 92.937,32.5 96.454,32.5 J7_U_servo3.1@97.977,34.023 ; C26_U_servo2.2@110.5,30.563 112.437,32.5 115.954,32.5 J7_U_servo2.1@117.477,34.023 ; C26_U_servo1.2@130,30.563 131.463,30.563 133.4,32.5 135.454,32.5 J7_U_servo1.1@136.977,34.023
  Top Layer w1: Teensy1.AGND@58.42,7.62 58.72,7.62 60.2,9.1 65.1,9.1 JU4.2@67.5,11.5
  Top Layer w1.9: 139.119,6.862 139.119,7.75 ; 139.119,7.8 139.119,15.6 ; 139.119,15.638 139.119,16.75 ; 139.119,16.8 v1(139.119,22.5)
  Bottom Layer w0.2: R10.1@137.976,19.25 138.75,18.476 138.75,17.512 C4.1@139.512,16.75 v1(139.512,15.638) ; R14.1@138.038,10.25 138.8,9.488 138.8,8.606 139.562,7.844 C6.1@139.562,7.75 v1(139.562,6.862)
  Bottom Layer w1: Teensy1.AGND@58.42,7.62 55.6,10.44 55.6,11.8 63.1,19.3 ; 81.5,35.298 84.402,38.2 102.2,38.2 ; J7_U_servo2.1@117.5,34 117.5,38.519 117.6,38.619
  Bottom Layer w1.3: 109.219,38.619 111.7,38.619
  Bottom Layer w1.8: 81.5,22.1 81.5,35.298
  Bottom Layer w1.9: J7_U_servo3.1@98,34 102.2,38.2 ; 102.619,38.619 109.219,38.619 ; 111.7,38.619 117.6,38.619 135.681,38.619 137,37.3 J7_U_servo1.1@137,34 139.119,31.881 v1(139.119,22.5)
  Bottom Layer w3: 63.1,19.3 78.7,19.3 81.5,22.1
  other v1: 11,7.2 21.7,8.4 15.3,8.7 16.1,8.7 15.3,9.6 16.1,9.6
button1: P1.7 Teensy1.31 | length 12.5
  Top Layer w0.2: Teensy1.31@35.56,12.7 39.216,9.044 39.216,7.03 40.702,5.544 41.446,5.544 P1.7@43.18,3.81
button2: P1.8 Teensy1.26 | length 17.2
  Top Layer w0.2: Teensy1.26@35.56,15.24 37.076,13.724 37.076,11.75 39.616,9.21 39.616,7.196 40.712,6.1 42.121,6.1 43.361,4.86 44.67,4.86 P1.8@45.72,3.81
button3: P1.9 Teensy1.32 | length 15
  Top Layer w0.2: Teensy1.32@38.1,12.7 41.756,9.044 41.756,7.03 43.526,5.26 46.81,5.26 P1.9@48.26,3.81
button4: P1.10 Teensy1.25 | length 19.8
  Top Layer w0.2: Teensy1.25@38.1,15.24 39.616,13.724 39.616,11.75 42.156,9.21 42.156,7.196 43.692,5.66 48.95,5.66 P1.10@50.8,3.81
button5: P1.11 Teensy1.33 | length 17.6
  Top Layer w0.2: Teensy1.33@40.64,12.7 44.296,9.044 44.296,7.03 45.266,6.06 51.09,6.06 P1.11@53.34,3.81
button6: P1.12 Teensy1.24 | length 22.3
  Top Layer w0.2: Teensy1.24@40.64,15.24 42.156,13.724 42.156,11.75 44.696,9.21 44.696,7.196 45.432,6.46 53.23,6.46 P1.12@55.88,3.81
buzzer: C21.1 Teensy1.A14 | length 7.3
  Top Layer w0.2: C21.1@20.862,10.8 v1(21.8,10.8) ; v1(24.551,10.801) 27.3,10.801 Teensy1.A14@27.94,10.16
  Bottom Layer w0.2: v1(21.8,10.8) v1(24.551,10.801)
can_rx: Teensy1.4 U1.4 | length 42.7
  Top Layer w0.2: U1.4@15.475,17.755 20.589,17.755 20.919,17.425 23.63,17.425 24.725,18.52 24.725,23.845 25.355,24.475 30.879,24.475 31.996,23.358 31.996,22.436 32.596,21.836 41.064,21.836 41.756,22.528 41.756,23.45 42.59,24.284 46.836,24.284 Teensy1.4@48.26,22.86
can_tx: Teensy1.3 U1.1 | length 50.7
  Top Layer w0.2: U1.1@15.475,13.945 15.05,13.945 14.45,14.545 14.45,16.734 14.801,17.085 20.694,17.085 20.754,17.025 23.795,17.025 25.125,18.355 25.125,23.68 25.52,24.075 30.713,24.075 31.596,23.192 31.596,22.27 32.43,21.436 41.23,21.436 42.156,22.362 42.156,23.284 42.756,23.884 46.144,23.884 47.236,22.792 47.236,22.436 47.836,21.836 49.776,21.836 Teensy1.3@50.8,22.86
clutch_motor_a1: Teensy1.6 U6_U_servo1.8 U6_U_servo1.10 | length 105.8
  Top Layer w0.2: Teensy1.6@43.18,22.86 46.706,19.334 58.304,19.334 58.32,19.35 59.784,19.35 59.801,19.334 60.418,19.334 61.526,20.441 77.994,20.441 80.85,23.297 80.85,34.894 82.898,36.941 100.681,36.941 101.772,35.85 118.35,35.85 120.059,34.141 120.059,28.587 121.02,27.625 121.58,27.625 122.255,28.3 v1(122.55,28.3) 122.71,28.46 122.71,29.088 U6_U_servo1.8@122.75,29.128 ; U6_U_servo1.10@123.75,29.128 123.79,29.088 123.79,28.535 124.025,28.3 v1(124.025,28.225)
  Bottom Layer w0.2: v1(122.55,28.3) 123.95,28.3 v1(124.025,28.225)
clutch_motor_a2: Teensy1.21/A7 U6_U_servo2.8 U6_U_servo2.10 | length 88
  Top Layer w0.2: Teensy1.21/A7@48.26,7.62 47.1,8.78 47.1,11.075 50.875,14.85 57.734,14.85 61.959,19.075 78.325,19.075 82,22.75 82.05,22.8 82.05,34.397 83.353,35.7 100.225,35.7 100.875,35.05 100.875,28.038 101.363,27.55 102.225,27.55 102.925,28.25 v1(103.025,28.25) 103.025,28.35 103.25,28.575 U6_U_servo2.8@103.25,29.128 ; U6_U_servo2.10@104.25,29.128 104.25,28.75 104.45,28.55 v1(104.45,28.25)
  Bottom Layer w0.2: v1(103.025,28.25) v1(104.45,28.25)